# KiCad board MB1075.kicad_pcb
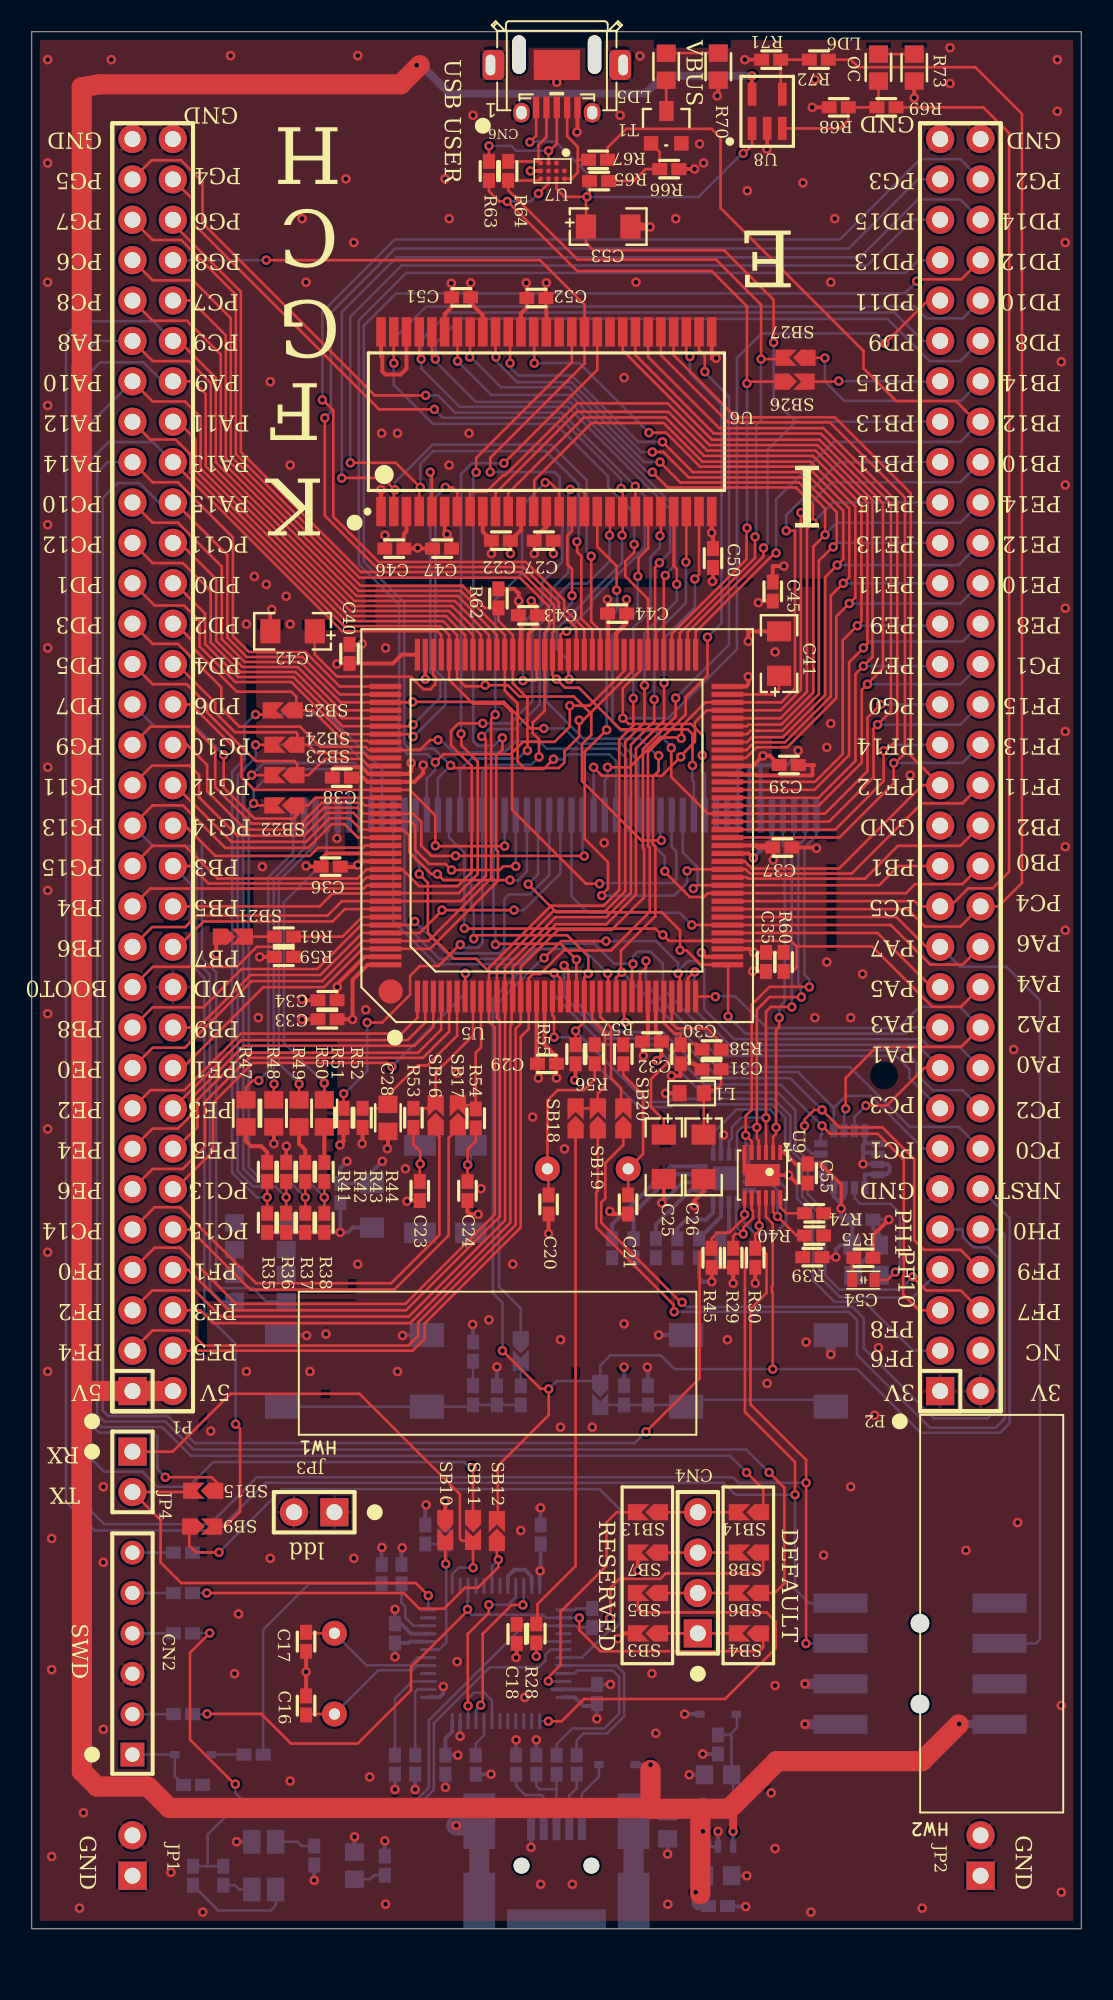
[diagram p0: board, top side]
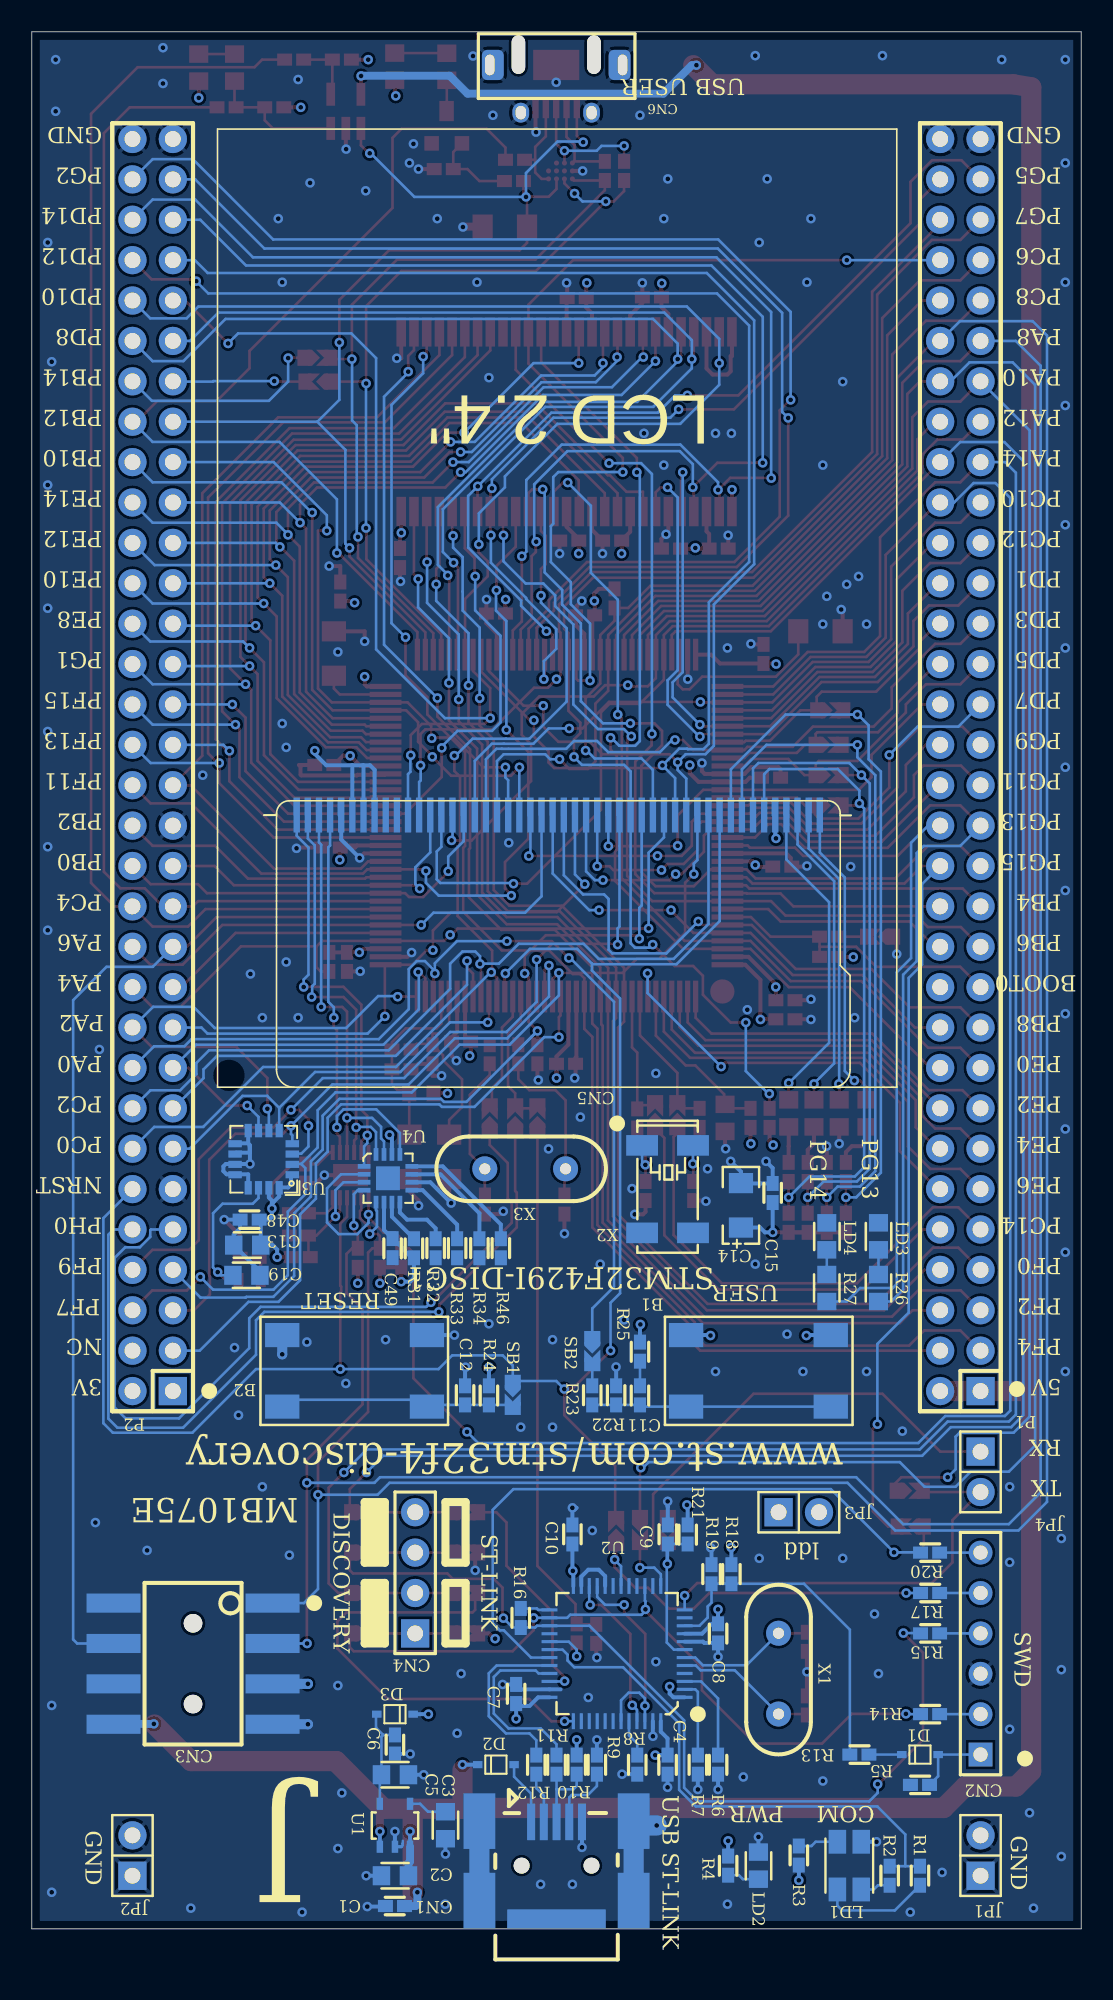
[diagram p1: board, bottom side, seen from below]

Outline 66 x 119.3 mm; copper layers: TOP, L2, L3, Bottom. Coordinates in mm from the lower left corner of the outline.
Outline path: 0,119.3 66,119.3 66,0 0,0 0,119.3

## Placement (name value [footprint] x y rotation side)
B1  SW-PUSH-CMS_BLUE  [BP1CMS]  20.3 35.09 270 bottom
B2  SW-PUSH-CMS_BLACK  [BP1CMS]  45.7 35.09 90 bottom
C1  100nF  [0402C]  43.16 1.44 90 bottom
C2  1µF_X5R_0603  [0603C]  43.16 3.34 180 bottom
C3  10nF_X7R_0603  [0603C]  39.98 6.52 90 bottom
C4  100nF  [0402C]  26.02 10.33 0 bottom
C5  1µF_X5R_0603  [0603C]  43.16 9.69 180 bottom
C6  100nF  [0402C]  43.16 11.6 0 bottom
C7  100nF  [0402C]  35.54 14.77 180 bottom
C8  100nF  [0402C]  22.84 18.58 0 bottom
C9  100nF  [0402C]  26 24.8 180 bottom
C10  100nF  [0402C]  32 24.8 180 bottom
C11  100nF  [0402C]  27.75 33.55 0 bottom
C12  100nF  [0402C]  38.75 33.55 180 bottom
C13  10uF  [0603C]  52.45 43 180 bottom
C14  4.7uF  [TAN-A]  21.4 45.5 270 bottom
C15  100nF  [0402C]  19.41 46.28 180 bottom
C16  20pF  [0402C]  17.25 14.05 180 top
C17  20pF  [0402C]  17.25 18.05 0 top
C18  20pF  [0402C]  30.5 18.55 180 top
C19  10nF/25V  [0603C]  52.5 41.1 0 bottom
C20  20pF  [0402C]  32.5 45.55 0 top
C21  20pF  [0402C]  37.5 45.55 0 top
C22  100nF  [0402C]  29.5 87.3 270 top
C23  6.8pF  [0402C]  24.4 46.4 0 top
C24  6.8pF  [0402C]  27.4 46.4 0 top
C25  1uF  [TAN-A]  39.75 48.55 90 top
C26  1uF  [TAN-A]  42.25 48.55 90 top
C27  100nF  [0402C]  32.2 87.3 270 top
C28  1uF  [0603C]  22.4 51 90 top
C29  100nF  [0402C]  32.4 54.4 90 top
C30  100nF  [0402C]  40.8 55 0 top
C31  100nF  [0402C]  42.75 54.05 90 top
C32  100nF  [0402C]  39 55.8 270 top
C33  100nF  [0402C]  18.6 57.2 90 top
C34  100nF  [0402C]  18.6 58.4 90 top
C35  100nF  [0402C]  46.18 60.81 180 top
C36  100nF  [0402C]  18.8 66.8 90 top
C37  100nF  [0402C]  47.2 68 270 top
C38  100nF  [0402C]  19.51 72.4 90 top
C39  100nF  [0402C]  47.61 73.19 270 top
C40  100nF  [0402C]  19.98 80.18 0 top
C41  2.2uF  [TAN-A]  47 80.2 270 top
C42  2.2uF  [TAN-A]  16.4 81.6 0 top
C43  100nF  [0402C]  31.2 82.6 270 top
C44  100nF  [0402C]  36.81 82.72 270 top
C45  100nF  [0402C]  46.6 84.1 0 top
C46  100nF  [0402C]  22.8 86.8 90 top
C47  100nF  [0402C]  25.8 86.8 270 top
C48  100nF  [0402C]  52.3 44.6 90 bottom
C49  100nF  [0402C]  43.31 42.81 0 bottom
C50  100nF  [0402C]  42.84 86.21 180 top
C51  100nF  [0402C]  27 102.6 270 top
C52  100nF  [0402C]  31.73 102.56 270 top
C53  4.7uF  [TAN-A]  36.25 107.05 180 top
C54  Capacitor  [C0603]  52.3 40.8 0 top
C55  100nF  [0402C]  48.8 47.5 0 top
CN1  USB-MINI-typeB  [USB-MINI-B-SMD]  33 3.98 0 bottom
CN2  Header 6  [HDR1X6]  6.33 10.96 90 bottom
CN3  -  [SSM-104-L-DH]  55.86 16.68 90 bottom
CN4  -  [Header 4]  41.89 18.58 90 bottom
CN5  FRD240C48003-B  [LCD_FRIDA_FRD240C48003-B]  32.96 83.05 180 bottom
CN6  USB-MICRO-AB  [CON_USBMICROAB_MOLEX_47590-0001_H3]  33.02 118.67 180 top
D1  BAT60JFILM  [SOD323/A]  10.14 10.96 180 bottom
D2  BAT60JFILM  [SOD323/A]  36.81 10.33 180 bottom
D3  BAT60JFILM  [SOD323/A]  43.16 13.5 0 bottom
HW1  STICKER_BOARD_REF  [STICKER_25X9]  29.29 35.57 0 top
HW2  STICKER_BOARD_REF  [STICKER_25X9]  60.37 19.82 270 top
JP1  -  [SIP2/2.54]  6.33 3.34 90 bottom
JP2  -  [SIP2/2.54]  59.67 3.34 90 bottom
JP3  -  [SIP2/2.54]  19.03 26.2 180 bottom
JP4  JP2  [SIP2/2.54]  6.33 30.01 270 bottom
L1  BEAD  [0603L]  41.5 52.55 0 top
LD1  LD_BICOLOR_CMS  [HSMF-A201]  14.58 3.98 270 bottom
LD2  LED, red  [0603D]  20.3 3.98 90 bottom
LD3  Green  [0603D]  12.75 43.55 90 bottom
LD4  Red  [0603D]  16 43.55 90 bottom
LD5  Green  [0603D]  39.9 117.1 270 top
LD6  Red  [0603D]  53.25 117.05 270 top
P1  Header 32X2  [HDR2X32]  7.6 73.19 90 bottom
P2  Header 32X2  [HDR2X32]  58.4 73.19 90 bottom
R1  100  [0402R]  10.14 3.34 180 bottom
R2  100  [0402R]  12.05 3.34 180 bottom
R3  0  [0402R]  17.76 4.61 180 bottom
R4  1K  [0402R]  22.2 3.98 0 bottom
R5  10K  [0402R]  10.14 9.06 270 bottom
R6  10K  [0402R]  22.84 10.33 0 bottom
R7  10K  [0402R]  24.11 10.33 0 bottom
R8  100K  [0402R]  27.92 10.33 0 bottom
R9  100K  [0402R]  30.46 10.33 0 bottom
R10  1K5  [0402R]  31.73 10.33 0 bottom
R11  0  [0402R]  33 10.33 0 bottom
R12  0  [0402R]  34.27 10.33 0 bottom
R13  [NA]  [0402R]  13.95 10.96 270 bottom
R14  22  [0402R]  9.51 13.5 270 bottom
R15  22  [0402R]  9.51 18.58 270 bottom
R16  100  [0402R]  35.25 19.55 180 bottom
R17  22  [0402R]  9.51 21.12 270 bottom
R18  4K7  [0402R]  22 22.3 180 bottom
R19  4K7  [0402R]  23.25 22.3 180 bottom
R20  22  [0402R]  9.51 23.66 270 bottom
R21  100K  [0402R]  24.75 24.8 0 bottom
R22  220K  [0402R]  29.25 33.55 180 bottom
R23  330  [0402R]  30.75 33.55 180 bottom
R24  100K  [0402R]  37.25 33.55 0 bottom
R25  100  [0402R]  27.75 36.3 0 bottom
R26  510  [0603R]  12.75 40.3 90 bottom
R27  680  [0603R]  16 40.3 90 bottom
R28  100  [0402R]  31.73 18.58 180 top
R29  4K7  [0402R]  44.11 42.2 0 top
R30  4K7  [0402R]  45.5 42.2 0 top
R31  4K7  [0402R]  41.97 42.8 0 bottom
R32  100K  [0402R]  40.6 42.8 180 bottom
R33  100K  [0402R]  39.25 42.8 180 bottom
R34  100K  [0402R]  37.85 42.8 180 bottom
R35  [N/A]  [0402R]  14.8 44.4 0 top
R36  4K7  [0402R]  16 44.4 0 top
R37  4K7  [0402R]  17.2 44.4 0 top
R38  [N/A]  [0402R]  18.4 44.4 0 top
R39  [N/A]  [0402R]  49.09 42.24 270 top
R40  0  [0402R]  49.2 43.6 270 top
R41  4K7  [0402R]  14.8 47.6 0 top
R42  [N/A]  [0402R]  16 47.6 0 top
R43  [N/A]  [0402R]  17.2 47.6 0 top
R44  4K7  [0402R]  18.4 47.6 0 top
R45  4K7  [0402R]  42.76 42.2 0 top
R46  100K  [0402R]  36.5 42.8 180 bottom
R47  0  [0603R]  13.47 51.28 90 top
R48  0  [0603R]  15.22 51.28 90 top
R49  0  [0603R]  16.81 51.28 90 top
R50  0  [0603R]  18.39 51.28 90 top
R51  4K7  [0402R]  19.6 51 0 top
R52  0  [0402R]  20.8 51 0 top
R53  0  [0402R]  24 51 0 top
R54  0  [0402R]  27.92 50.97 0 top
R55  4K7  [0402R]  34.2 55 0 top
R56  0  [0402R]  35.4 55 0 top
R57  220  [0402R]  37.2 55 0 top
R58  0  [0402R]  42.75 55.3 270 top
R59  [N/A]  [0402R]  15.86 61.13 90 top
R60  4K7  [0402R]  47.29 60.81 180 top
R61  510  [0402R]  15.86 62.4 90 top
R62  4K7  [0402R]  29.35 83.67 180 top
R63  22  [0402R]  28.75 110.55 180 top
R64  22  [0402R]  29.96 110.55 180 top
R65  47K  [0402R]  35.67 109.92 270 top
R66  [N/A]  [0402R]  40.09 110.67 90 top
R67  0  [0402R]  35.61 111.25 270 top
R68  47K  [0402R]  50.75 114.55 270 top
R69  0  [0402R]  53.75 114.55 90 top
R70  330  [0603R]  43.17 117.11 270 top
R71  10K  [0402R]  46.5 117.55 270 top
R72  0  [0402R]  49.5 117.55 270 top
R73  620  [0603R]  55.5 117.05 270 top
R74  0  [0402R]  49.2 45 270 top
R75  10K  [0402R]  52.3 42.2 270 top
SB1  Circuit Breaker  [JP2_SMD]  35.75 33.55 270 bottom
SB2  Circuit Breaker  [JP2_SMD]  30.75 36.3 270 bottom
SB3  Circuit Breaker  [JP2_SMD]  38.72 18.58 180 top
SB4  Circuit Breaker  [JP2_SMD]  45.07 18.58 180 top
SB5  Circuit Breaker  [JP2_SMD]  38.72 21.12 180 top
SB6  Circuit Breaker  [JP2_SMD]  45.07 21.12 180 top
SB7  Circuit Breaker  [JP2_SMD]  38.72 23.66 180 top
SB8  Circuit Breaker  [JP2_SMD]  45.07 23.66 180 top
SB9  Circuit Breaker  [JP2_SMD]  10.75 25.3 0 top
SB10  Circuit Breaker  [JP2_SMD]  26 25.05 270 top
SB11  Circuit Breaker  [JP2_SMD]  27.75 25.05 270 top
SB12  Circuit Breaker  [JP2_SMD]  29.25 25.05 90 top
SB13  Circuit Breaker  [JP2_SMD]  38.72 26.2 180 top
SB14  Circuit Breaker  [JP2_SMD]  45.07 26.2 180 top
SB15  Circuit Breaker  [JP2_SMD]  10.75 27.55 180 top
SB16  Circuit Breaker  [JP2_SMD]  25.4 51.2 90 top
SB17  Circuit Breaker  [JP2_SMD]  26.8 51.2 90 top
SB18  Circuit Breaker  [JP2_SMD]  34.2 51 90 top
SB19  Circuit Breaker  [JP2_SMD]  35.6 51 90 top
SB20  Circuit Breaker  [JP2_SMD]  37.2 51 90 top
SB21  Circuit Breaker  [JP2_SMD]  12.68 62.4 0 top
SB22  Circuit Breaker  [JP2_SMD]  15.86 70.65 180 top
SB23  Circuit Breaker  [JP2_SMD]  15.86 72.56 180 top
SB24  Circuit Breaker  [JP2_SMD]  15.86 74.46 180 top
SB25  Circuit Breaker  [JP2_SMD]  15.75 76.63 180 top
SB26  Circuit Breaker  [JP2_SMD]  48 97.3 0 top
SB27  Circuit Breaker  [JP2_SMD]  48 98.8 180 top
T1  9013-SOT23  [SOT-23]  39.9 113.3 270 top
U1  LD3985M33R  [SOT-23-5L]  43.16 6.52 90 bottom
U2  STM32F103CBT6  [QFP48 7x7]  29.19 17.31 90 bottom
U3  I3G4250D  [ICC_LGA16_4X4_P065_H1P1]  51.42 48.4 0 bottom
U4  STMPE811QTR  [QFN16_3X3]  43.6 47.2 180 bottom
U5  STM32F429ZIT6  [TQFP144]  33 69.38 90 top
U6  IS42S16400J  [TSOP54-II]  32.36 94.78 90 top
U7  EMIF02-USB03F2  [Flip Chip]  32.5 110.55 270 top
U8  STMPS2141STR  [SOT23-5L]  46.25 114.3 0 top
U9  SX8651  [ICC_DFN12-EPAD_3X3_P045]  45.95 47.4 180 top
X1  8MHz  [XTAL1]  19.03 18.58 270 bottom
X2  MC306-G-06Q-32.768  [MC306-CRYSTAL]  26.02 46.52 270 bottom
X3  8MHz  [XTAL1]  37.5 47.8 180 bottom

## Footprints (pads in the part's own frame, mm; a bottom-side part is the same pattern mirrored in y, then rotated)
0402C
  rect 0.762x0.94 smd: 1(0,0.6) 2(0,-0.6)
0402R
  rect 0.762x0.94 smd: 1(0,0.6) 2(0,-0.6)
0603C
  rect 1.1x1.2 smd: 1(-0.85,0) 2(0.85,0)
0603D
  rect 1.1x1.2 smd: 1(-0.85,0) 2(0.85,0)
0603L
  rect 0.889x1.016 smd: 1(-0.762,0) 2(0.762,0)
0603R
  rect 1.1x1.2 smd: 1(-0.85,0) 2(0.85,0)
BP1CMS
  rect 1.52x2.16 smd: 1(-2.25,-4.55) 2(2.25,-4.55) 3(2.25,4.55) 4(-2.25,4.55)
C0603
  rect 0.64x0.89 smd: 1(-0.7,0) 2(0.7,0)
CON_USBMICROAB_MOLEX_47590-0001_H3
  oval 0.85x2.425 hole 0.85x2.425 unplated: (-2.375,0.8) (2.375,0.8)
  rect 0.4x1.35 smd: 1(1.3,4.125) 2(0.65,4.125) 3(0,4.125) 4(-0.65,4.125) 5(-1.3,4.125)
  oval 1.05x1.25 hole 0.65x0.85: 6(-2.225,4.45) 7(2.225,4.45)
  rrect 1.375x1.9 hole 0.6x1.3: 8(-4.175,1.45) 9(4.175,1.45)
  rect 2.9x1.9 smd: 10(0,1.45)
Flip Chip
  round 0.32 smd: A2(0,1) A3(0.5,1) B1(-0.5,0.5) B2(0,0.5) B3(0.5,0.5) C1(-0.5,0) C2(0,0) C3(0.5,0) D1(-0.5,-0.5) D2(0,-0.5) D3(0.5,-0.5)
HDR1X6
  rect 1.5x1.5 hole 0.9: 1(0,0)
  round 1.5 hole 0.9: 2(2.54,0) 3(5.08,0) 4(7.62,0) 5(10.16,0) 6(12.7,0)
HDR2X32
  rect 1.778x1.778 hole 1: 1(-39.37,-1.27)
  round 1.778 hole 1: 2(-39.37,1.27) 3(-36.83,-1.27) 4(-36.83,1.27) 5(-34.29,-1.27) 6(-34.29,1.27) 7(-31.75,-1.27) 8(-31.75,1.27) 9(-29.21,-1.27) 10(-29.21,1.27) 11(-26.67,-1.27) 12(-26.67,1.27) 13(-24.13,-1.27) 14(-24.13,1.27) 15(-21.59,-1.27) 16(-21.59,1.27) 17(-19.05,-1.27) 18(-19.05,1.27) 19(-16.51,-1.27) 20(-16.51,1.27) 21(-13.97,-1.27) 22(-13.97,1.27) 23(-11.43,-1.27) 24(-11.43,1.27) 25(-8.89,-1.27) 26(-8.89,1.27) 27(-6.35,-1.27) 28(-6.35,1.27) 29(-3.81,-1.27) 30(-3.81,1.27) 31(-1.27,-1.27) 32(-1.27,1.27) 33(1.27,-1.27) 34(1.27,1.27) 35(3.81,-1.27) 36(3.81,1.27) 37(6.35,-1.27) 38(6.35,1.27) 39(8.89,-1.27) 40(8.89,1.27) 41(11.43,-1.27) 42(11.43,1.27) 43(13.97,-1.27) 44(13.97,1.27) 45(16.51,-1.27) 46(16.51,1.27) 47(19.05,-1.27) 48(19.05,1.27) 49(21.59,-1.27) 50(21.59,1.27) 51(24.13,-1.27) 52(24.13,1.27) 53(26.67,-1.27) 54(26.67,1.27) 55(29.21,-1.27) 56(29.21,1.27) 57(31.75,-1.27) 58(31.75,1.27) 59(34.29,-1.27) 60(34.29,1.27) 61(36.83,-1.27) 62(36.83,1.27) 63(39.37,-1.27) 64(39.37,1.27)
Header 4
  rect 1.778x1.778 hole 1: 1(0,0)
  round 1.778 hole 1: 2(2.54,0) 3(5.08,0) 4(7.62,0)
HSMF-A201
  rect 1.5x1.1 smd: 1(-1.5,0.75) 2(1.5,0.75) 3(1.5,-0.75) 4(-1.5,-0.75)
ICC_DFN12-EPAD_3X3_P045
  rect 0.25x0.95 smd: 1(-1.125,-1.425) 2(-0.675,-1.425) 3(-0.225,-1.425) 4(0.225,-1.425) 5(0.675,-1.425) 6(1.125,-1.425) 7(1.125,1.425) 8(0.675,1.425) 9(0.225,1.425) 10(-0.225,1.425) 11(-0.675,1.425) 12(-1.125,1.425)
  rect 2.2x1.4 smd: 13(0,0)
ICC_LGA16_4X4_P065_H1P1
  rect 0.85x0.45 smd: 1(-1.8,0.975) 2(-1.8,0.325) 3(-1.8,-0.325) 4(-1.8,-0.975) 9(1.8,-0.975) 10(1.8,-0.325) 11(1.8,0.325) 12(1.8,0.975)
  rect 0.45x0.85 smd: 5(-0.975,-1.8) 6(-0.325,-1.8) 7(0.325,-1.8) 8(0.975,-1.8) 13(0.975,1.8) 14(0.325,1.8) 15(-0.325,1.8) 16(-0.975,1.8)
JP2_SMD
  custom 0.762x1.016 smd: (-0.635,-0.508)
  custom 0.762x0.508 smd: (0.635,0) (0.635,0)
  rect 0.813x1.016 smd: 1(-0.889,0) 2(0.826,0)
LCD_FRIDA_FRD240C48003-B
  rect 0.4x2.2 smd: 1(-16.38,-13.01) 2(-15.68,-13.01) 3(-14.98,-13.01) 4(-14.28,-13.01) 5(-13.58,-13.01) 6(-12.88,-13.01) 7(-12.18,-13.01) 8(-11.48,-13.01) 9(-10.78,-13.01) 10(-10.08,-13.01) 11(-9.38,-13.01) 12(-8.68,-13.01) 13(-7.98,-13.01) 14(-7.28,-13.01) 15(-6.58,-13.01) 16(-5.88,-13.01) 17(-5.18,-13.01) 18(-4.48,-13.01) 19(-3.78,-13.01) 20(-3.08,-13.01) 21(-2.38,-13.01) 22(-1.68,-13.01) 23(-0.98,-13.01) 24(-0.28,-13.01) 25(0.42,-13.01) 26(1.12,-13.01) 27(1.82,-13.01) 28(2.52,-13.01) 29(3.22,-13.01) 30(3.92,-13.01) 31(4.62,-13.01) 32(5.32,-13.01) 33(6.02,-13.01) 34(6.72,-13.01) 35(7.42,-13.01) 36(8.12,-13.01) 37(8.82,-13.01) 38(9.52,-13.01) 39(10.22,-13.01) 40(10.925,-13.015) 41(11.62,-13.01) 42(12.32,-13.01) 43(13.02,-13.01) 44(13.72,-13.01) 45(14.42,-13.01) 46(15.12,-13.01) 47(15.82,-13.01) 48(16.52,-13.01)
MC306-CRYSTAL
  rect 1.3x2 smd: 1(-2.75,-1.6) 2(2.75,-1.6) 3(2.75,1.6) 4(-2.75,1.6)
QFN16_3X3
  rect 0.8x0.3 smd: 1(-1.5,0.75) 2(-1.5,0.25) 3(-1.5,-0.25) 4(-1.5,-0.75) 9(1.5,-0.75) 10(1.5,-0.25) 11(1.5,0.25) 12(1.5,0.75)
  rect 0.3x0.8 smd: 5(-0.75,-1.5) 6(-0.25,-1.5) 7(0.25,-1.5) 8(0.75,-1.5) 13(0.75,1.5) 14(0.25,1.5) 15(-0.25,1.5) 16(-0.75,1.5)
  rect 1.5x1.5 smd: 17(0,0)
QFP48 7x7
  rect 0.2x1 smd: 1(-2.75,-4.25) 2(-2.25,-4.25) 3(-1.75,-4.25) 4(-1.25,-4.25) 5(-0.75,-4.25) 6(-0.25,-4.25) 7(0.25,-4.25) 8(0.75,-4.25) 9(1.25,-4.25) 10(1.75,-4.25) 11(2.25,-4.25) 12(2.75,-4.25) 25(2.75,4.25) 26(2.25,4.25) 27(1.75,4.25) 28(1.25,4.25) 29(0.75,4.25) 30(0.25,4.25) 31(-0.25,4.25) 32(-0.75,4.25) 33(-1.25,4.25) 34(-1.75,4.25) 35(-2.25,4.25) 36(-2.75,4.25)
  rect 1x0.2 smd: 13(4.25,-2.75) 14(4.25,-2.25) 15(4.25,-1.75) 16(4.25,-1.25) 17(4.25,-0.75) 18(4.25,-0.25) 19(4.25,0.25) 20(4.25,0.75) 21(4.25,1.25) 22(4.25,1.75) 23(4.25,2.25) 24(4.25,2.75) 37(-4.25,2.75) 38(-4.25,2.25) 39(-4.25,1.75) 40(-4.25,1.25) 41(-4.25,0.75) 42(-4.25,0.25) 43(-4.25,-0.25) 44(-4.25,-0.75) 45(-4.25,-1.25) 46(-4.25,-1.75) 47(-4.25,-2.25) 48(-4.25,-2.75)
SIP2/2.54
  rect 1.778x1.778 hole 1: 1(0,0)
  round 1.778 hole 1: 2(2.54,0)
SOD323/A
  rect 0.6x0.45 smd: 1(1.143,0) 2(-1.143,0)
SOT23-5L
  rect 0.55x1.45 smd: 1(-0.95,-1.075) 2(0,-1.075) 3(0.95,-1.075) 4(0.95,1.075) 5(-0.95,1.075)
SOT-23
  rect 0.914x0.914 smd: 1(1.016,-0.953) 2(1.016,0.953)
  rect 1.27x0.914 smd: 3(-1.016,0.013)
SOT-23-5L
  rect 0.762x0.406 smd: 1(-1.35,0.95) 2(-1.35,0) 3(-1.35,-0.95) 4(1.35,-0.95) 5(1.35,0.95)
SSM-104-L-DH
  round 1.168 hole 1.2 unplated: (-2.54,0) (2.54,0)
  rect 1.2x3.4 smd: 1(3.81,-5) 2(3.81,5) 3(1.27,-5) 4(1.27,5) 5(-1.27,-5) 6(-1.27,5) 7(-3.81,-5) 8(-3.81,5)
TAN-A
  rect 1.27x1.524 smd: 1(1.397,0) 2(-1.397,0)
TQFP144
  rect 2x0.33 smd: 1(-10.75,8.75) 2(-10.75,8.25) 3(-10.75,7.75) 4(-10.75,7.25) 5(-10.75,6.75) 6(-10.75,6.25) 7(-10.75,5.75) 8(-10.75,5.25) 9(-10.75,4.75) 10(-10.75,4.25) 11(-10.75,3.75) 12(-10.75,3.25) 13(-10.75,2.75) 14(-10.75,2.25) 15(-10.75,1.75) 16(-10.75,1.25) 17(-10.75,0.75) 18(-10.75,0.25) 19(-10.75,-0.25) 20(-10.75,-0.75) 21(-10.75,-1.25) 22(-10.75,-1.75) 23(-10.75,-2.25) 24(-10.75,-2.75) 25(-10.75,-3.25) 26(-10.75,-3.75) 27(-10.75,-4.25) 28(-10.75,-4.75) 29(-10.75,-5.25) 30(-10.75,-5.75) 31(-10.75,-6.25) 32(-10.75,-6.75) 33(-10.75,-7.25) 34(-10.75,-7.75) 35(-10.75,-8.25) 36(-10.75,-8.75) 73(10.75,-8.75) 74(10.75,-8.25) 75(10.75,-7.75) 76(10.75,-7.25) 77(10.75,-6.75) 78(10.75,-6.25) 79(10.75,-5.75) 80(10.75,-5.25) 81(10.75,-4.75) 82(10.75,-4.25) 83(10.75,-3.75) 84(10.75,-3.25) 85(10.75,-2.75) 86(10.75,-2.25) 87(10.75,-1.75) 88(10.75,-1.25) 89(10.75,-0.75) 90(10.75,-0.25) 91(10.75,0.25) 92(10.75,0.75) 93(10.75,1.25) 94(10.75,1.75) 95(10.75,2.25) 96(10.75,2.75) 97(10.75,3.25) 98(10.75,3.75) 99(10.75,4.25) 100(10.75,4.75) 101(10.75,5.25) 102(10.75,5.75) 103(10.75,6.25) 104(10.75,6.75) 105(10.75,7.25) 106(10.75,7.75) 107(10.75,8.25) 108(10.75,8.75)
  rect 0.33x2 smd: 37(-8.75,-10.75) 38(-8.25,-10.75) 39(-7.75,-10.75) 40(-7.25,-10.75) 41(-6.75,-10.75) 42(-6.25,-10.75) 43(-5.75,-10.75) 44(-5.25,-10.75) 45(-4.75,-10.75) 46(-4.25,-10.75) 47(-3.75,-10.75) 48(-3.25,-10.75) 49(-2.75,-10.75) 50(-2.25,-10.75) 51(-1.75,-10.75) 52(-1.25,-10.75) 53(-0.75,-10.75) 54(-0.25,-10.75) 55(0.25,-10.75) 56(0.75,-10.75) 57(1.25,-10.75) 58(1.75,-10.75) 59(2.25,-10.75) 60(2.75,-10.75) 61(3.25,-10.75) 62(3.75,-10.75) 63(4.25,-10.75) 64(4.75,-10.75) 65(5.25,-10.75) 66(5.75,-10.75) 67(6.25,-10.75) 68(6.75,-10.75) 69(7.25,-10.75) 70(7.75,-10.75) 71(8.25,-10.75) 72(8.75,-10.75) 109(8.75,10.75) 110(8.25,10.75) 111(7.75,10.75) 112(7.25,10.75) 113(6.75,10.75) 114(6.25,10.75) 115(5.75,10.75) 116(5.25,10.75) 117(4.75,10.75) 118(4.25,10.75) 119(3.75,10.75) 120(3.25,10.75) 121(2.75,10.75) 122(2.25,10.75) 123(1.75,10.75) 124(1.25,10.75) 125(0.75,10.75) 126(0.25,10.75) 127(-0.25,10.75) 128(-0.75,10.75) 129(-1.25,10.75) 130(-1.75,10.75) 131(-2.25,10.75) 132(-2.75,10.75) 133(-3.25,10.75) 134(-3.75,10.75) 135(-4.25,10.75) 136(-4.75,10.75) 137(-5.25,10.75) 138(-5.75,10.75) 139(-6.25,10.75) 140(-6.75,10.75) 141(-7.25,10.75) 142(-7.75,10.75) 143(-8.25,10.75) 144(-8.75,10.75)
  round 1.524 smd: 145(-10.432,10.432)
TSOP54-II
  rect 1.85x0.6 smd: 1(-5.65,10.4) 2(-5.65,9.6) 3(-5.65,8.8) 4(-5.65,8) 5(-5.65,7.2) 6(-5.65,6.4) 7(-5.65,5.6) 8(-5.65,4.8) 9(-5.65,4) 10(-5.65,3.2) 11(-5.65,2.4) 12(-5.65,1.6) 13(-5.65,0.8) 14(-5.65,0) 15(-5.65,-0.8) 16(-5.65,-1.6) 17(-5.65,-2.4) 18(-5.65,-3.2) 19(-5.65,-4) 20(-5.65,-4.8) 21(-5.65,-5.6) 22(-5.65,-6.4) 23(-5.65,-7.2) 24(-5.65,-8) 25(-5.65,-8.8) 26(-5.65,-9.6) 27(-5.65,-10.4) 28(5.65,-10.4) 29(5.65,-9.6) 30(5.65,-8.8) 31(5.65,-8) 32(5.65,-7.2) 33(5.65,-6.4) 34(5.65,-5.6) 35(5.65,-4.8) 36(5.65,-4) 37(5.65,-3.2) 38(5.65,-2.4) 39(5.65,-1.6) 40(5.65,-0.8) 41(5.65,0) 42(5.65,0.8) 43(5.65,1.6) 44(5.65,2.4) 45(5.65,3.2) 46(5.65,4) 47(5.65,4.8) 48(5.65,5.6) 49(5.65,6.4) 50(5.65,7.2) 51(5.65,8) 52(5.65,8.8) 53(5.65,9.6) 54(5.65,10.4)
USB-MINI-B-SMD
  round 1 hole 1 unplated: (-2.2,0) (2.194,0)
  rect 0.508x2.3 smd: 1(1.597,-2.75) 2(0.797,-2.75) 3(-0.003,-2.75) 4(-0.803,-2.75) 5(-1.603,-2.75)
  rect 2x3.5 smd: 6(-4.853,-2.8) 6(-4.853,2.2) 6(4.847,-2.8) 6(4.847,2.2)
  rect 6.2x1.2 smd: 6(0,3.35)
XTAL1
  round 1.575 hole 0.7: 1(-0.009,-0.005) 2(5.071,-0.005)

## Nets
3V: C4.2 C7.2 C8.2 C10.2 C13.2 C14.1 C15.2 C22.2 C27.2 C46.2 C47.2 C48.2 C49.2 C50.2 C51.2 C52.2 C55.1 CN3.5 CN5.6 CN5.7 CN5.8 CN5.44 D3.2 JP3.1 P2.1 P2.2 R3.2 R4.2 R10.2 R18.1 R21.2 R29.2 R30.2 R31.1 R35.2 R36.2 R37.2 R38.2 R39.1 R45.2 R68.2 R70.2 R71.2 R73.2 SB3.2 U2.1 U2.9 U2.24 U2.36 U2.48 U3.1 U3.15 U3.16 U4.6 U4.14 U6.1 U6.3 U6.9 U6.14 U6.27 U6.43 U6.49 U9.1
5V: C1.2 C2.2 CN3.8 D2.2 P1.1 P1.2 U1.1 U1.3 U8.5
GND: B2.2 B2.3 C1.1 C2.1 C3.1 C4.1 C5.2 C6.1 C7.1 C8.1 C9.1 C10.1 C12.1 C13.1 C14.2 C15.1 C16.2 C17.2 C18.1 C19.1 C20.2 C21.2 C22.1 C23.2 C24.2 C25.2 C26.2 C27.1 C28.1 C29.1 C30.2 C31.1 C32.1 C33.1 C34.1 C35.1 C36.1 C37.1 C38.1 C39.1 C40.1 C41.2 C42.2 C43.1 C44.1 C45.1 C46.1 C47.1 C48.1 C49.1 C50.1 C51.1 C52.1 C53.2 C55.2 CN1.5 CN1.6 CN2.3 CN3.7 CN5.5 CN6.5 CN6.6 CN6.7 CN6.8 CN6.9 CN6.10 JP1.1 JP1.2 JP2.1 JP2.2 LD1.1 LD2.2 LD3.2 LD4.2 P1.63 P1.64 P2.11 P2.29 P2.63 P2.64 R5.2 R6.1 R7.1 R8.1 R9.2 R19.1 R22.1 R32.2 R33.2 R34.2 R40.1 R41.1 R42.1 R43.1 R44.1 R46.2 R47.1 R48.1 R49.1 R50.1 R55.2 R66.2 R74.1 R75.1 SB7.2 SB10.1 SB21.1 T1.2 U1.2 U2.8 U2.20 U2.23 U2.35 U2.47 U3.8 U3.9 U3.10 U3.11 U3.12 U3.13 U4.10 U5.16 U5.31 U5.38 U5.51 U5.61 U5.83 U5.94 U5.107 U5.120 U5.130 U6.6 U6.12 U6.28 U6.41 U6.46 U6.52 U6.54 U7.D2 U8.2 U9.6 U9.13
VDD: B1.1 B1.4 C29.2 C32.2 C33.2 C34.2 C35.2 C36.2 C37.2 C38.2 C39.2 C40.2 C43.2 C44.2 C45.2 JP3.2 L1.1 P1.22 R24.2 R25.2 R51.2 R52.2 R59.1 R60.2 R62.2 U5.17 U5.30 U5.39 U5.52 U5.62 U5.72 U5.84 U5.95 U5.108 U5.121 U5.131 U5.143 U5.144
A0: P1.7 U5.10 U6.23
A1: P1.8 U5.11 U6.24
A2: P1.5 U5.12 U6.25
A3: P1.6 U5.13 U6.26
A4: P1.3 U5.14 U6.29
A5: P1.4 U5.15 U6.30
A6: P2.31 U5.50 U6.31
A7: P2.34 U5.53 U6.32
A8: P2.33 U5.54 U6.33
A9: P2.36 U5.55 U6.34
A10: P2.35 U5.56 U6.22
A11: P2.38 U5.57 U6.35
ADR_A0: R39.2 R40.2 U4.3 U9.11
AIN_1: R13.2 R18.2 R19.2 U2.10
B2: CN5.29 P1.36 U5.122
B3: CN5.28 P1.31 U5.126
B4: CN5.27 P1.32 U5.127
B5: CN5.26 P2.19 U5.37
B6: CN5.25 P1.19 U5.139
B7: CN5.24 P1.20 U5.140
BOOT0: P1.21 R59.2 R61.2 U5.138
D0: P2.60 U5.85 U6.2
D1: P2.59 U5.86 U6.4
D2: P1.42 U5.114 U6.5
D3: P1.41 U5.115 U6.7
D4: P2.37 U5.58 U6.8
D5: P2.40 U5.59 U6.10
D6: P2.39 U5.60 U6.11
D7: P2.42 U5.63 U6.13
D8: P2.41 U5.64 U6.42
D9: P2.44 U5.65 U6.44
D10: P2.43 U5.66 U6.45
D11: P2.46 U5.67 U6.47
D12: P2.45 U5.68 U6.48
D13: P2.54 U5.77 U6.50
D14: P2.53 U5.78 U6.51
D15: P2.56 U5.79 U6.53
G2: CN5.23 P2.24 U5.42
G3: CN5.22 P1.34 U5.125
G4: CN5.21 P2.48 U5.69
G5: CN5.20 P2.47 U5.70
G6: CN5.19 P1.56 U5.97
G7: CN5.18 P1.39 U5.117
IM0: CN5.40 R35.1 R41.2 SB25.2
IM1: CN5.41 R36.1 R42.2 SB24.2
IM2: CN5.42 R37.1 R43.2 SB23.2
IM3: CN5.43 R38.1 R44.2 SB22.2
LED_STLINK: R1.1 R2.1 U2.30
MCO: C18.2 R28.2 SB18.1
NetB1_2: B1.2 B1.3 C11.1 R22.2 R23.2
NetB2_1: B2.1 B2.4 C12.2 R24.1 SB1.2
NetC3_2: C3.2 U1.4
NetC5_1: C5.1 C6.2 D3.1 U1.5
NetC11_2: C11.2 R25.1
NetC19_2: C19.2 C54.2 U3.14
NetC20_1: C20.1 R56.2 X3.2
NetC21_1: C21.1 R57.2 X3.1
NetC23_1: C23.1 R53.2 X2.4
NetC24_1: C24.1 R54.2 X2.1
NetC25_1: C25.1 C30.1 R58.2 U5.32
NetC26_1: C26.1 C31.2 L1.2 R58.1 U5.33
NetC28_2: C28.2 R52.1 U5.6
NetC41_1: C41.1 U5.71
NetC42_1: C42.1 U5.106
NetC54_1: C54.1 R75.2
NetCN1_2: CN1.2 R12.1